# KiCad board PCB_A.kicad_pcb

Outline 53.99 x 53.99 mm; copper layers: Top, Bottom. Coordinates in mm from the lower left corner of the outline.

## Placement (name value [footprint] x y rotation side)
C1  1uF  [C_0603_1608Metric_Pad1.05x0.95mm_HandSolder]  35.43 37.1 270 top
C2  100nF  [C_0402_1005Metric]  19.17 10.14 0 top
C3  1uF  [C_0603_1608Metric_Pad1.05x0.95mm_HandSolder]  19.17 12.09 0 top
C4  100nF  [C_0402_1005Metric]  37.84 26.89 90 top
C5  100nF  [C_0402_1005Metric]  35.89 26.93 90 top
C6  100nF  [C_0402_1005Metric]  41.72 23.63 90 top
C7  15pF  [C_0402_1005Metric]  32.49 26.63 0 top
C8  15pF  [C_0402_1005Metric]  32.51 21.63 180 top
C9  100nF  [C_0402_1005Metric]  33.89 19.85 270 top
C10  100nF  [C_0402_1005Metric]  35.33 19.85 270 top
C11  100nF  [C_0402_1005Metric]  40.61 18.25 0 top
C12  100nF  [C_0402_1005Metric]  40.59 19.65 0 top
C13  n.a  [C_0402_1005Metric]  36.3 11.85 180 top
C14  n.a  [C_0402_1005Metric]  40.78 10.85 0 top
C15  100pF  [C_0402_1005Metric]  38.78 14.45 90 top
D1  Rojo  [LED_0603_1608Metric_Pad1.05x0.95mm_HandSolder]  21.46 51.48 0 top
D2  Verde  [LED_0603_1608Metric_Pad1.05x0.95mm_HandSolder]  32.48 51.48 0 top
F1  Polyfuse  [Fuse_1812_4532Metric_Pad1.30x3.40mm_HandSolder]  36.09 32.94 180 top
J1  Batería LiPo (Soldada)  [PinHeader_1x02_P2.54mm_Vertical]  41.32 34.26 90 top
J2  -  [CONUFL001-SMD]  37.9 6.85 180 top
J3  Servo Globo  [PinHeader_1x03_P2.54mm_Vertical]  44.89 29.39 270 top
J4  -  [Conector_PCB_A-B]  26.99 26.99 0 top
J5  Servo Paracaídas  [PinHeader_1x03_P2.54mm_Vertical]  47.89 26.99 0 top
L1  12nH  [L_0402_1005Metric]  37.9 10.25 270 top
LOGO  -  [Logo_AXTEC]  3.98 29.13 0 top
LOGO#2  -  [Logo_AXTEC]  11.99 29.08 180 bottom
M1  Spacer  [Empty_Footprint]  4.58 50.98 0 top
M2  Spacer  [Empty_Footprint]  5.08 50.98 0 top
M3  Spacer  [Empty_Footprint]  4.08 50.98 0 top
MH1  -  [MH_CanSat]  26.99 26.99 0 top
Q1  SSM3J338R,LF  [SSM3J332RLFT]  30.6 34.26 180 top
Q2  BC817  [SOT-23]  14.96 47.21 0 top
R1  1k  [R_0603_1608Metric_Pad1.05x0.95mm_HandSolder]  8.86 40.86 180 top
R2  1k  [R_0603_1608Metric_Pad1.05x0.95mm_HandSolder]  38.07 47.21 0 top
R3  10k  [R_0603_1608Metric_Pad1.05x0.95mm_HandSolder]  15.27 12.12 180 top
R4  10k  [R_0603_1608Metric_Pad1.05x0.95mm_HandSolder]  22.99 13.34 0 top
R5  10k  [R_0603_1608Metric_Pad1.05x0.95mm_HandSolder]  19.49 34.09 90 top
R6  10k  [R_0603_1608Metric_Pad1.05x0.95mm_HandSolder]  17.69 34.09 90 top
R7  10k  [R_0603_1608Metric_Pad1.05x0.95mm_HandSolder]  15.79 34.09 90 top
R8  56k  [R_0402_1005Metric]  41.74 21.4 90 top
R9  0R  [R_0402_1005Metric]  37.9 12.35 270 top
R10  0R  [R_0402_1005Metric]  39.1 11.31 270 top
R11  1k  [R_0603_1608Metric_Pad1.05x0.95mm_HandSolder]  19.17 43.96 270 top
REF**  -  [PCB_mayor_diametro]  26.99 26.99 0 top
REF**#2  -  [OSHW-Symbol_6.7x6mm_SilkScreen]  7.99 22.99 0 top
REF**#3  -  [MountingHole_5.3mm_M5]  8.05 17.24 0 top
S1  -  [500SSP1S1M6QEA]  27.02 44.88 270 top
TP1  TestPoint_BATT  [TestPoint_Pad_D1.0mm]  35.43 42.49 0 top
TP2  TestPoint_GPSTX  [TestPoint_Pad_D1.0mm]  7.29 35.69 0 top
TP3  TestPoint_P1  [TestPoint_Pad_D1.0mm]  9.79 35.69 0 top
TP4  TestPoint_P1  [TestPoint_Pad_D1.0mm]  47.99 30.89 0 top
TP5  TestPoint_P1  [TestPoint_Pad_D1.0mm]  46.09 26.99 0 top
TP6  TestPoint_CS  [TestPoint_Pad_D1.0mm]  33.89 4.69 0 top
TP7  TestPoint_SDO  [TestPoint_Pad_D1.0mm]  51.79 21.09 0 top
TP8  TestPoint_SDI  [TestPoint_Pad_D1.0mm]  33.89 2.09 0 top
TP9  TestPoint_SCLK  [TestPoint_Pad_D1.0mm]  33.89 7.59 0 top
TP10  TestPoint_GND  [TestPoint_THTPad_1.0x1.0mm_Drill0.5mm]  47.89 19.19 0 top
U1  -  [A2235-H]  30.19 14.29 90 top
U2  CC1101RGP  [QFN50P400X400X100-21N-D]  38.09 22.9 270 top
U3  -  [0915BM15A0001E]  37.84 17.18 270 top
Y1  26 MHz  [Crystal_SMD_2520-4Pin_2.5x2.0mm]  32.49 24.13 270 top

## Footprints (pads in the part's own frame, mm; a bottom-side part is the same pattern mirrored in y, then rotated)
500SSP1S1M6QEA
  round 2.775 hole 1.85: 1(6.14,-4.7) 2(6.14,0) 3(6.14,4.7) 4(-3.39,-6.605) 5(-3.39,6.605)
0915BM15A0001E
  rect 0.35x1 smd: 1(0.65,0.9) 2(0,0.9) 3(-0.65,0.9) 4(-0.65,-0.9) 5(0,-0.9) 6(0.65,-0.9)
A2235-H
  round 5 hole 5 unplated: (8.86,9.52)
  rect 1.5x0.9 smd: 1(0,16.51) 2(0,15.24) 3(0,13.97) 4(0,12.7) 5(0,11.43) 6(0,10.16) 7(0,3.81) 8(0,2.54) 9(0,1.27) 10(16.51,1.27) 11(16.51,2.54) 12(16.51,3.81) 13(16.51,5.08) 14(16.51,6.35) 15(16.51,7.62) 16(16.51,8.89) 17(16.51,10.16) 18(16.51,11.43) 19(16.51,12.7) 20(16.51,13.97) 21(16.51,15.24) 22(16.51,16.51)
  rect 1.27x1.27 smd: 23(4.445,3.175) 24(6.985,3.175) 25(9.525,3.175) 26(12.065,3.175) 27(12.065,14.605) 28(9.525,14.605) 29(6.985,14.605) 30(4.445,14.605)
C_0402_1005Metric
  rrect 0.59x0.64 smd: 1(-0.485,0) 2(0.485,0)
C_0603_1608Metric_Pad1.05x0.95mm_HandSolder
  rrect 1.05x0.95 smd: 1(-0.875,0) 2(0.875,0)
Conector_PCB_A-B
  rect 1.7x1.7 hole 1: 1(17.132,11.401)
  oval 1.7x1.7 hole 1: 2(19.672,11.401) 5(24.8,1.27) 6(24.8,-1.27) 9(4.997,-20.914) 10(4.997,-18.374) 12(-19.728,11.501) 13(-22.268,11.501) 15(-24.8,1.27) 16(-24.8,-1.27) 17(-24.8,-3.81)
  round 1.7 hole 1: 3(22.212,11.401) 4(24.8,3.81) 7(24.8,-3.81) 8(4.997,-23.454) 11(-17.188,11.501) 14(-24.8,3.81)
CONUFL001-SMD
  rect 1x1.05 smd: 1(0,-1.525)
  rect 1.05x2.2 smd: 2(-1.475,0) 3(1.475,0)
Crystal_SMD_2520-4Pin_2.5x2.0mm
  rect 1.15x1 smd: 1(-0.875,-0.7) 2(0.875,-0.7) 3(0.875,0.7) 4(-0.875,0.7)
Fuse_1812_4532Metric_Pad1.30x3.40mm_HandSolder
  rrect 1.3x3.4 smd: 1(-2.225,0) 2(2.225,0)
L_0402_1005Metric
  rrect 0.59x0.64 smd: 1(-0.485,0) 2(0.485,0)
LED_0603_1608Metric_Pad1.05x0.95mm_HandSolder
  rrect 1.05x0.95 smd: 1(-0.875,0) 2(0.875,0)
MH_CanSat
  round 6.3 hole 3.2: 1(-12.5,13.5)
  round 6.2 hole 3.2: 2(12.5,13.5) 3(0,-20.2)
MountingHole_5.3mm_M5
  round 5.3 hole 5.3 unplated: (0,0)
PinHeader_1x02_P2.54mm_Vertical
  rect 1.7x1.7 hole 1: 1(0,0)
  oval 1.7x1.7 hole 1: 2(0,-2.54)
PinHeader_1x03_P2.54mm_Vertical
  rect 1.7x1.7 hole 1: 1(0,0)
  oval 1.7x1.7 hole 1: 2(0,-2.54) 3(0,-5.08)
QFN50P400X400X100-21N-D
  rect 0.9x0.3 smd: 1(-1.95,1) 2(-1.95,0.5) 3(-1.95,0) 4(-1.95,-0.5) 5(-1.95,-1) 11(1.95,-1) 12(1.95,-0.5) 13(1.95,0) 14(1.95,0.5) 15(1.95,1)
  rect 0.3x0.9 smd: 6(-1,-1.95) 7(-0.5,-1.95) 8(0,-1.95) 9(0.5,-1.95) 10(1,-1.95) 16(1,1.95) 17(0.5,1.95) 18(0,1.95) 19(-0.5,1.95) 20(-1,1.95)
  rect 2.5x2.5 smd: 21(0,0)
R_0402_1005Metric
  rrect 0.59x0.64 smd: 1(-0.485,0) 2(0.485,0)
R_0603_1608Metric_Pad1.05x0.95mm_HandSolder
  rrect 1.05x0.95 smd: 1(-0.875,0) 2(0.875,0)
SOT-23
  rect 0.9x0.8 smd: 1(-1,0.95) 2(-1,-0.95) 3(1,0)
SSM3J332RLFT
  rect 0.8x0.9 smd: 1(-0.95,-1.05) 2(0.95,-1.05) 3(0,1.05)
TestPoint_Pad_D1.0mm
  round 1 smd: 1(0,0)
TestPoint_THTPad_1.0x1.0mm_Drill0.5mm
  rect 1x1 hole 0.5: 1(0,0)

## Nets
+3V3_Internal: C2.1 C3.1 C4.1 C6.1 C9.1 C10.1 C11.1 C12.1 J4.16 R3.1 R11.2 U1.3 U2.4 U2.9 U2.11 U2.14 U2.15 U2.18
+5V: J3.2 J4.4 J5.2
GND: C1.2 C2.2 C3.2 C4.2 C5.2 C6.2 C7.2 C8.2 C9.2 C10.2 C11.2 C12.2 C13.2 C14.2 D2.1 J1.2 J2.2 J2.3 J3.3 J4.3 J4.15 J5.3 MH1.1 MH1.2 MH1.3 Q1.1 Q2.2 R5.2 R7.2 R8.1 S1.4 S1.5 TP10.1 U1.6 U1.9 U1.23 U1.24 U1.25 U1.26 U1.27 U1.28 U1.29 U1.30 U2.16 U2.19 U2.21 U3.2 U3.5 U3.6 Y1.2 Y1.4
+BATT: C1.1 Q1.2 S1.3 TP1.1
/CC1101/ANT: J2.1 L1.2
/CC1101/RF_N: U2.13 U3.3
/CC1101/RF_P: U2.12 U3.4
/CS: J4.9 TP6.1 U2.7
/GPS/GPS_1V8: R4.1 R6.2 U1.5
/GPS_TX: J4.12 TP2.1 U1.21
/P1: J4.11 R1.1 TP3.1
/S_GLOBO: J3.1 J4.5 TP4.1
/S_PARACAIDAS: J4.6 J5.1 TP5.1
/SCLK: J4.10 TP9.1 U2.1
/SDI: J4.8 TP8.1 U2.20
/SDO: J4.7 TP7.1 U2.2
Net-(C5-Pad1): C5.1 U2.5
Net-(C7-Pad1): C7.1 U2.8 Y1.1
Net-(C8-Pad1): C8.1 U2.10 Y1.3
Net-(C13-Pad1): C13.1 R9.2 R10.1
Net-(C14-Pad1): C14.1 L1.1 R10.2
Net-(C15-Pad1): C15.1 R9.1
Net-(C15-Pad2): C15.2 U3.1
Net-(D1-Pad1): D1.1 Q2.3
Net-(D1-Pad2): D1.2 R11.1
Net-(D2-Pad2): D2.2 R2.2
Net-(F1-Pad1): F1.1 J1.1
Net-(F1-Pad2): F1.2 Q1.3
Net-(J4-Pad1): J4.1 J4.2 R2.1 S1.2
Net-(J4-Pad13): J4.13
Net-(J4-Pad14): J4.14
Net-(J4-Pad17): J4.17
Net-(Q2-Pad1): Q2.1 R1.2
Net-(R3-Pad2): R3.2 U1.1
Net-(R4-Pad2): R4.2 U1.7
Net-(R5-Pad1): R5.1 U1.17
Net-(R6-Pad1): R6.1 U1.18
Net-(R7-Pad1): R7.1 U1.20
Net-(R8-Pad2): R8.2 U2.17
Net-(S1-Pad1): S1.1
Net-(U1-Pad2): U1.2
Net-(U1-Pad8): U1.8
Net-(U1-Pad10): U1.10
Net-(U1-Pad11): U1.11
Net-(U1-Pad12): U1.12
Net-(U1-Pad13): U1.13
Net-(U1-Pad14): U1.14
Net-(U1-Pad15): U1.15
Net-(U1-Pad16): U1.16
Net-(U1-Pad19): U1.4 U1.19
Net-(U1-Pad22): U1.22
Net-(U2-Pad3): U2.3
Net-(U2-Pad6): U2.6

## Via types
v1: diameter 1, hole 0.4, Top to Bottom, 5 vias
v2: diameter 0.8, hole 0.3, Top to Bottom, 35 vias

## Routing (per net, layer and track width the routed paths; a pad name or vN(x,y) marks a point on that pad's centre or on a via; arc(x,y) is an arc through that point)
+3V3_Internal: length 120
  Top w0.3: U2.4 37.59,25.6 37.84,25.85 C4.1 v2(36.96,26.4) ; U2.18 41.07,22.9 41.07,22.91 41.3,23.14 C6.1 42.61,23.14 ; U2.9 34.72,22.4 v2(34.54,22.23) ; 35.17,20.95 U2.11 ; 35.17,20.95 35.37,20.95 35.33,20.92 35.33,20.34 ; 35.17,20.95 34.51,20.95 33.89,20.34 ; v2(42.49,23.09) 42.49,17.88 41.82,17.2 40.75,17.2 40.12,17.83 C11.1 40.12,20.37 39.54,20.95 U2.15 U2.14
  Top w0.4: 31.49,28.89 31.49,30.37 25.67,36.19 21.15,36.19 19.17,38.17 R11.2 ; v2(32.59,19.99) 32.94,20.34 33.89,20.34
  Top w0.6: U1.3 16.22,12.2 R3.1 18.09,12.12 18.12,12.09 ; C2.1 18.29,10.53 C3.1
  Top w1: 30.4,19.59 30.4,27.8 31.49,28.89 34.49,28.89 ; 30.4,19.59 32.2,19.59 32.59,19.99 ; 30.4,19.59 v2(30.4,17.71) ; 16.22,16.99 U1.3 ; 16.22,16.99 13.99,16.99 12.69,18.29 12.69,20.49 7.46,25.72 J4.16 ; 16.22,16.99 17.49,16.99 18.24,17.74 v2(23.65,17.74)
  Bottom w0.3: 32.59,20.28 v2(32.59,19.99)
  Bottom w1: v2(34.54,22.23) 34.54,21.94 v2(32.59,19.99) ; v2(23.65,17.74) 30.38,17.74 v2(30.4,17.71) ; 42.39,23.19 39.18,26.4 v2(36.96,26.4) 34.49,28.87 v2(34.49,28.89)
+5V: length 19.8
  Top w1: J4.4 50.1,32.49 45.3,32.49 42.35,29.55 J3.2 42.35,28.23 45.97,24.62 47.73,24.62 J5.2
GND: length 128
  Top w0.3: v2(39.39,8.6) 39.37,8.58 J2.2 ; v2(36.42,8.65) 36.42,8.64 J2.3 ; v2(33.72,26.2) 33.49,25.98 33.19,25.98 ; v2(37.84,17.21) 37.87,17.18 U3.2 39.67,17.18 v2(40.39,16.47) ; 38.97,22 39.07,21.9 U2.16 40.04,21.88 41.05,20.87 41.08,20.87 ; C4.2 37.8,27.42 37.19,27.42 ; C8.2 31.79,21.86 Y1.2 ; 41.27,11.93 v2(41.27,11.93) ; 34.84,11.85 v2(34.82,11.83) ; 38.97,23.8 39.37,23.4 U2.19 40.79,23.4 41.04,23.65 41.04,23.85 41.3,24.11 C6.2 ; 33.19,25.98 Y1.4 ; 33.19,25.98 33.19,26.41 C7.2 ; R8.1 41.03,20.92 41.08,20.87 ; 37.25,28.05 v2(37.25,28.26) 37.25,27.48 37.19,27.42 ; C9.2 C10.2 35.39,19.31 v2(35.39,18.41) 35.4,18.4 ; v2(36.94,15.62) U3.5 35.69,17.18 v2(35.68,17.17) ; 41.08,20.87 C12.2 41.08,18.27 C11.2 ; 37.19,27.42 C5.2
  Top w0.4: C13.2 34.84,11.85 ; Q2.2 14.18,46.26 v2(15.77,44.67) ; C14.2 41.27,11.93
  Top w0.6: Y1.2 31.79,20.88 v2(31.66,20.74) ; J4.15 6.06,28.26 v2(6.09,28.29) v2(15.59,28.29) 15.59,28.29 15.59,18.74 27.02,18.74 27.02,26.36 ; U1.9 28.92,12.92 28.09,12.09 C3.2 ; C2.2 20.03,10.52 U1.6 ; 35.89,27.46 35.88,27.47
  Top w1: v2(50.09,21.09) 49.27,21.91 J5.3 ; Q1.1 32.48,36.24 35.42,36.24 C1.2 43.09,36.23 43.86,35.46 J1.2 43.86,33.44 J3.3 39.81,29.45 ; J4.3 49.21,36.41 47.01,34.21 44.17,34.21 ; D2.1 v2(27.1,51.48)
  vias: v1(42.49,36.14) v1(43.3,32.53) v1(43.91,36.09) v1(45.18,35.58) v1(45.64,34.16) v2(37.27,23.73) v2(37.27,22.1) v2(38.09,22.9) v2(38.94,23.73) v2(38.89,22.1)
+BATT: length 12.8
  Top w0.6: C1.1 TP1.1
  Top w1: Q1.2 29.65,36.66 S1.3 32.48,37.98 C1.1
/CC1101/ANT: length 1.4
  Top w0.4: L1.2 J2.1
/CC1101/RF_N: length 3.4
  Top w0.25: 38.1,20.97 38.1,18.86 38.75,18.21 38.75,17.83
/CC1101/RF_P: length 3.4
  Top w0.25: 37.6,20.97 37.6,18.86 36.95,18.21 36.95,17.83
/CS: length 28.5
  Top w0.3: v2(31.59,18.1) 31.59,17.24 30.79,16.44 30.79,7.28 J4.9 ; v2(35.4,24.94) 34.97,24.51 34.97,23.83 35.39,23.4 U2.7
  Top w0.4: TP6.1 33.39,5.19 32.88,5.19 J4.9
  Bottom w0.3: v2(31.59,18.1) 30.5,19.2 30.5,22.19 33.24,24.94 v2(35.4,24.94)
/GPS/GPS_1V8: length 47
  Top w0.4: 27.62,15.88 29.12,17.38 27.53,15.79 22.09,15.79 ; 22.09,15.79 22.12,15.77 R4.1 ; 22.09,15.79 19.11,15.79 18.76,15.44 U1.5 ; v2(17.69,36.39) R6.2 ; 19.47,28.99 19.62,29.14 27.89,29.14 29.15,27.88 29.15,17.45
  Bottom w0.4: v2(19.54,29.15) 19.54,34.54 v2(17.69,36.39)
/GPS_TX: length 13.3
  Top w0.5: 7.29,38.47 J4.12
  Top w0.6: U1.21 14.95,32.15 13.01,34.09 8.89,34.09 TP2.1 7.29,38.47
/P1: length 7.1
  Top w0.4: J4.11 9.81,35.71 TP3.1 ; J4.11 9.73,38.57 ; J4.11 9.81,36.61 9.79,36.59
  Top w0.5: R1.1 9.73,38.57
/S_GLOBO: length 8.9
  Top w0.4: 47.99,29.39 TP4.1 ; 47.99,29.39 50.66,29.39 J4.5 ; 47.99,29.39 J3.1
/S_PARACAIDAS: length 6.2
  Top w0.4: TP5.1 J5.1 50.52,26.99 J4.6
/SCLK: length 42
  Top w0.3: 37.59,4.16 38.6,4.16 39.64,5.2 40.74,5.2 41.27,5.74 41.27,7.61 41.73,8.07 41.73,9.65 44.28,12.2 44.28,16.6 43.49,17.38 v2(43.49,23.09) ; 37.59,4.16 35.78,4.16 ; 37.59,4.16 35.69,4.16 33.89,5.95 TP9.1 ; TP9.1 33.02,7.59 J4.10 31.99,7.95 ; TP9.1 33.89,6.34 ; U2.1 39.54,24.85 40.48,25.79 v2(41.89,25.79)
  Bottom w0.3: v2(43.49,23.09) 43.49,24.19 v2(41.89,25.79)
/SDI: length 37
  Top w0.3: 33.89,3.54 39,3.54 40.03,4.57 41.12,4.57 41.83,5.28 41.83,7.46 42.31,7.94 42.31,9.32 44.98,11.98 44.98,17.17 44.34,17.8 44.34,23.44 42.94,24.84 40.98,24.84 U2.20 ; 33.89,3.54 J4.8 ; 33.89,3.54 TP8.1
/SDO: length 17.8
  Top w0.3: U2.2 38.59,25.6 39.53,26.54 42.33,26.54 45.69,23.18 J4.7
  Top w0.4: TP7.1 J4.7
Net-(C5-Pad1): length 2.7
  Top w0.3: C5.1 35.89,25.55 36.59,24.85 U2.5 37.09,25.15
Net-(C7-Pad1): length 11.1
  Top w0.3: U2.8 34.87,22.9 34.47,23.3 34.47,27.03 33.69,27.8 32.32,27.8 32.01,27.49 32.01,26.13 31.79,25.91 Y1.1
Net-(C8-Pad1): length 5.1
  Top w0.3: Y1.3 33.19,21.83 C8.1 33.67,21.63 33.82,21.48 34.97,21.48 35.39,21.9 U2.10
Net-(C13-Pad1): length 2.4
  Top w0.3: 36.8,11.83 C13.1
  Top w0.4: R10.1 39.04,11.85 C13.1
Net-(C14-Pad1): length 2.4
  Top w0.4: L1.1 38.01,10.85 C14.1
Net-(C15-Pad1): length 1.5
  Top w0.4: C15.1 37.9,13.08 R9.1
Net-(C15-Pad2): length 1.3
  Top w0.4: 38.74,16.51 38.74,15.21
Net-(D1-Pad1): length 7.3
  Top w0.4: D1.1 18.61,51.48 15.96,48.82 Q2.3
Net-(D1-Pad2): length 10
  Top w0.4: D1.2 23.08,50.73 23.08,46.25 21.67,44.84 R11.1
Net-(D2-Pad2): length 8.4
  Top w0.4: R2.2 38.94,49.08 36.55,51.48 D2.2
Net-(F1-Pad1): length 3.6
  Top w1.3: F1.1 39.63,34.26 J1.1
Net-(F1-Pad2): length 3.4
  Top w1.3: F1.2 30.87,32.94 Q1.3
Net-(J4-Pad1): length 32.6
  Top w0.4: R2.1 37.19,44.75 37.21,44.74
  Top w0.6: 37.81,44.9 37.96,44.74
  Top w1.2: 45.17,40.44 45.17,40.72 ; 45.17,40.72 45.17,38.42 45.19,38.4 ; 45.17,40.72 41.15,44.74 28.79,44.74 27.02,42.98 S1.2 ; 45.19,38.4 J4.2 ; 45.19,38.4 J4.1
Net-(Q2-Pad1): length 11.1
  Top w0.4: Q2.1 12.81,48.16 12.21,47.57 12.21,44.57 9.88,42.23 8.78,42.23 7.98,41.44 R1.2
Net-(R3-Pad2): length 2.5
  Top w0.4: R3.2 13.68,12.83 U1.1
Net-(R4-Pad2): length 2.9
  Top w0.4: U1.7 25.43,13.34 R4.2
Net-(R5-Pad1): length 2.6
  Top w0.4: R5.1 20.03,32.68 U1.17
Net-(R6-Pad1): length 2.9
  Top w0.4: U1.18 18.76,32.15 R6.1
Net-(R7-Pad1): length 2.6
  Top w0.4: R7.1 16.22,32.79 U1.20
Net-(R8-Pad2): length 1.8
  Top w0.3: 41.59,21.89 41.08,22.4 U2.17
Net-(U1-Pad19): length 35.9
  Top w0.4: U1.4 17.49,15.44 18.54,16.49 27.2,16.49 28.5,17.79 28.5,27.58 27.79,28.29 18.85,28.29 17.49,29.65 U1.19

## Copper pours and planes (outline as drawn; the poured copper is in the pictures)
GND on Top: -3.01,56.99 56.99,56.99 56.99,-3.01 -3.01,-3.01
GND on Bottom: -3.01,56.99 56.99,56.99 56.99,-3.01 -3.01,-3.01

## Text on the board
B.SilkS: PCB_A v1.0 | CanSat Platform | GLOBO | PARAC | - | + | s
F.SilkS: CanSat Platform | PCB_A v1.0 | GLOBO | PARAC | St | On | - | + | BATT | s
